# KiCad board AMLDC-2044B p3.kicad_pcb (continued)
## Routing (per net, layer and track width the routed paths; a pad name or vN(x,y) marks a point on that pad's centre or on a via; arc(x,y) is an arc through that point) (continued)
+V TERM: length 42.2
  Top w0.15: 86.27,145.25 87.29,147.25 87.77,148.52 88.35,150.05 88.66,151.58 89.05,153.36 ; J2.13 81.24,136.33 81.92,136.59 82.46,136.75 83.04,137.06 84.26,137.99 85.37,139.1 85.91,139.57 86.53,140.28 87.57,141.29 89,142.48 v1(90.17,143.42) 90.13,143.54 ; 86.32,145.38 86.12,144.86 85.56,143.97 84.89,142.71 84.12,141.76 83.12,140.82 81.9,140.22 80.61,139.44 J2.11 ; 89.05,153.24 89.63,155.83 89.9,157.16 v1(90.09,157.83) 90.09,157.95
/A77: length 20.5
  Top w0.15: 87.95,215.14 87.36,216.05 87,216.58 85.43,218.88 83.93,220.8 83.09,221.82 82.31,222.47 81.93,222.79 81.11,223.18 80.32,223.37 76.05,223.37 J1.77 ; 87.9,215.22 88.41,213.96 88.58,212.96 88.79,211 R36.1
/B49: length 56.8
  Top w0.15: 89.19,42.43 89.21,42.45 v1(89.24,42.45) 89.24,42.48 89.86,43.42 90.09,43.83 90.52,44.37 90.73,44.74 91.09,45.16 92.09,46.99 92.69,47.67 93.21,48.77 94.19,51.16 94.25,51.96 94.29,52.82 94.34,54.02 94.27,54.81 94.07,57.73 93.85,58.7 93.77,59.22 93.78,59.21 93.42,62.38 93.37,63.2 93.37,64.35 93.46,65.51 93.58,67.02 93.67,68.01 93.78,69.1 94.07,71.71 94.05,72.34 94.12,72.71 93.93,74.04 93.75,75.32 93.25,76.63 92.84,77.49 92.21,78.58 91.91,78.96 90.44,81 90.23,81.21 89.68,81.83 88.75,82.41 88.27,82.72 87.19,82.97 85.54,82.85 85.15,82.7 84.22,82.22 84.02,82.04 83.84,81.83 v1(83.49,81.61) 82.6,80.95 82.15,80.32 80.74,79.45 J2.49
/C14p2: length 7.6
  Top w0.15: C14.2 222.79,350.4 222.79,349.88 222.08,348.47 220.62,345.97 R29.1
/C31p2: length 3.2
  Top w0.25: C31.2 143.58,339.41 R94.2
/C58p1: length 1.9
  Top w0.25: C58.1 125.48,310.49 R71.1
/C58p2: length 20.8
  Top w0.15: C58.2 132.18,307.59 C59.2 132.12,305.82 131.92,301.83 131.92,295.23 C60.2 132.09,291.36 132.09,290.67 C61.2
/C59p1: length 1.7
  Top w0.25: C59.1 125.78,307.64 R51.1
/C60p1: length 2
  Top w0.25: R53.1 125.56,292.87 C60.1
/C61p1: length 2
  Top w0.25: R33.1 125.56,289.69 C61.1
/Pad6p6: length 2.6
  Top w0.15: 273.98,255.44 273.98,255.54 v1(274,255.56) 273.98,255.58 273.98,256.73 273.97,256.74 274.23,257 UG4.6
/Pad14p14: length 6.1
  Top w0.15: C12.2 269.12,268.75 267.88,268.55 267.4,268.32 267.39,268.3 267.04,267.97 266.84,267.65 266.61,267.22 UG4.14
/Pad15p15: length 2.7
  Top w0.15: C12.1 264.07,267.9 UG4.15
/Pad77: length 0.1
  Top w0.15: 88.78,208.24 R35.2
/R9p2: length 5
  Top w0.15: R9.2 162.36,311.47 161.19,310.3 160.58,309.44 C43.1
/R10p2: length 3.2
  Top w0.25: 143.38,328.64 143.43,328.69 v2(143.43,328.74) 143.48,328.74 143.53,328.79 R10.2
/R13p2: length 1.9
  Top w0.15: C15.1 201.71,326.64 R13.2
/R34P1: length 23
  Top w0.15: R34.1 86.23,197.88 87.21,196.85 87.76,195.99 R35.1 89.8,193.07 90.3,192.27 90.56,191.83 R15.1 92.59,188.85 92.66,188.71 R16.1 93.93,178 v1(94.06,177.87) 94.19,177.75
/R50P2: length 17
  Top w0.15: CR3.1 182.07,339.53 181.95,334.72 181.89,333.98 181.88,333.85 C28.2 181.05,331.62 179.26,329.56 178.43,328.25 177.18,326.31 v1(177.04,324.72)
/R56P2: length 14.5
  Top w0.15: R92.2 93.1,218.55 91.87,220.16 R17.2 90.38,222.48 90.08,222.97 ; R56.2 85.93,228.72 87,227.53 87.53,226.69 88.78,225.05 R36.2 90.23,222.74
/UG4A: length 5.7
  Top w0.15: 280.39,255.39 280.28,255.28 v1(280.2,255.28) 280.2,255.2 279.52,255.22 277.87,255.33 277.35,255.69 277.32,255.69 277.15,256.03 276.85,256.55 276.77,256.63 UG4.7
B1p2: length 12.5
  Top w0.25: UB1.2 150.32,349.35 148.73,350.59 147.58,350.99 146.48,350.89 145.18,350.39 143.65,349.26 R38.2 143.65,345.81 C45.2
B1p3: length 54.5
  Top w0.2: UE1.3 153.85,298.81 154.36,301.62 154.51,307.59 154.42,308.96 154.79,311.86 155.46,313.84 UD1.4 155.8,316.55 155.79,318.11 155.6,318.48 155.62,318.75 154.79,320.08 154.36,320.87 154.36,324.28 154.4,325.2 154.44,324.71 154.44,331.29 154.37,331.37 154.37,339.48 154.39,339.49 154.47,342.77 154.67,344.34 153.69,346.88 152.86,347.61 UB1.3
B1p9: length 6.4
  Top w0.25: UB1.9 160.48,356.91 160.95,357.37 160.97,357.61 R77.2 164.88,359.09 C16.1
B1p10: length 11.9
  Top w0.25: 157.94,355.93 158.25,357.77 157.15,359.11 156.27,359.4 155.25,359.51 153.91,359.55 R77.1
B1p12: length 38.3
  Top w0.25: UD1.8 163.11,323.98 161.1,325.29 159.71,326.64 159.37,327.93 159.23,331.45 159.32,336.61 159.37,345.54 159.16,350.75 158.53,351.99 157.31,352.69 154.79,353.61 153.41,354.6 UB1.12
B1p13: length 33.9
  Top w0.25: UB1.13 151.62,352.19 151.53,346.34 151.48,345.21 151.16,343.24 151.74,339.94 151.97,338.15 151.85,338.03 151.85,326.39 151.76,326.3 152,324.8 152.92,323.73 UD1.12
B2p4: length 7.4
  Top w0.15: UB2.4 196.15,347.35 195.72,347.09 195.18,345.98 194.52,345.32 193.87,345.05 193.01,344.73 R70.1
B2p5: length 11.3
  Top w0.15: UB2.5 198.78,347.09 199.1,346.66 199.64,345.89 200.69,344.49 201.2,344.12 202.18,343.28 202.24,343.28 202.24,343.08 C13.1 R70.2
B2p10: length 8.7
  Top w0.15: UB2.10 198.69,357.34 199.28,357.91 200.09,358.57 200.7,358.84 201.5,359.09 201.5,359.09 R91.2 204.15,358.89 C30.1
B2p11: length 8.1
  Top w0.15: R91.1 191.99,359.22 192.96,359.22 193.73,359.2 194.61,358.57 196.15,357.4 UB2.11
B2p13: length 50.7
  Top w0.15: UD2.13 191.07,322.98 190.95,323.34 190.97,323.75 190.72,324.47 190.31,325.65 190.24,326.24 189.88,329.23 189.79,329.32 189.79,332.78 189.81,332.8 189.88,339.12 189.36,342.2 189.25,343.69 189.38,344.87 189.5,346.11 189.84,347.54 189.88,350.26 190.81,351.46 192.3,352.4 ; 192.78,351.25 193.44,351.46 193.93,351.62 196.36,352.43 198.92,353.04 200.59,354.27 201.04,355.85 UB2.9 ; 192.78,351.25 192.89,350.85 193.23,349.92 UB2.3 ; 192.78,351.25 192.39,352.25 192.3,352.4 ; 192.3,352.4 192.12,352.68 191.81,353.81 191.53,354.67 UB2.13
B3p6: length 11.1
  Top w0.25: UB3.6 UB3.5 239,345.11 237.73,343.84 234.83,343.84 233.92,344.75 UB3.3
B3p8: length 16.7
  Top w0.25: UB3.8 UB3.9 241.54,352.7 239.83,350.99 235.13,350.99 233.92,352.2 UB3.12 UB3.13
B3p10: length 2.5
  Top w0.25: UB3.10 UB3.11
B4p1: length 23.8
  Top w0.15: UC4.9 273.81,338.01 272.78,339.21 271.83,339.83 270.96,340.9 270.92,342.48 271.15,344.1 UB4.5 271.5,346.3 269.87,348.03 268.24,348.43 267.64,348.52 264.49,348.45 263.95,348.28 263.52,348.07 262.97,347.77 262.67,347.52 262.52,347.32 261.72,346.65 261.72,346 UB4.1 261.34,346.08
B4p6: length 4.4
  Top w0.15: C42.1 273.17,342.63 273.57,343.59 UB4.6
B4p7: length 4.8
  Top w0.15: C42.2 278.1,342.52 276.64,344.55 UB4.7
B4p10: length 33.4
  Top w0.15: UB4.10 275.91,351.35 275.35,349.7 275.32,344.51 275.35,344.48 275.35,340.5 275.37,340.47 275.37,335.06 275.35,325.54 274.98,324.27 274.53,322.68 274.4,322.49 UD4.9
B4p14: length 6.5
  Top w0.15: C41.2 269.67,356.6 267.68,356.24 266.63,355.34 266.43,353.25 UB4.14
B4p15: length 2.9
  Top w0.15: 264.12,356 C41.1 264.08,353.44 UB4.15
B5p1: length 33.9
  Top w0.15: 298.66,312.34 299.5,313.63 299.8,315.39 300.13,316.67 300.2,317.93 300.24,318.48 300.23,319.22 300.11,319.86 300.13,320.33 300.15,321.17 299.45,323.63 299.59,324.06 299.84,325.63 300.22,327.16 300.25,340.66 300.26,340.67 ; 300.25,340.43 300.26,340.99 299.88,342.51 299.56,343.61 299.25,344.05 298.98,344.24 UB5.1
B5p2: length 9.1
  Top w0.15: UB5.2 301.52,344.28 301.56,344.05 301.66,343.47 301.96,342.21 301.8,339.5 301.59,338.26 301.32,336.19
B5p10: length 7.7
  Top w0.15: UB5.10 308.98,351.61 308.91,346.42 309.14,345.17
B6p6: length 7.7
  Top w0.15: UB6.6 356.23,346.15 356.05,346.59 355.97,351.44 356.23,352.79
B6p11: length 9.5
  Top w0.15: 346.07,345.17 346.43,346.62 346.64,347.19 347.37,347.9 349.05,349.01 349.73,349.77 350.23,350.39 350.31,350.6 350.77,351.68 UB6.11
B8p12: length 9.3
  Top w0.15: UB8.12 421.21,351.28 420.44,350.32 420.44,350.29 419.95,349.9 418.99,348.96 418.35,348.23 417.69,347.31 417.13,345.96 416.76,344.81
B15: length 17.4
  Top w0.15: 90.47,141.18 90.44,141.14 v1(90.44,141.11) 90.4,141.11 89.97,140.68 88.65,138.37 86.8,136.55 86.46,136.1 86.04,135.73 85.56,135.34 84.95,134.69 83.5,133.91 81.73,133.36 77.11,133.22 J2.15
B19: length 15.2
  Top w0.15: 91.67,128.24 v1(91.48,128.24) 91.21,128.24 89.67,128.19 88.55,127.99 88,127.82 86.83,127.71 85.48,127.56 84.22,127.4 81.68,127.06 J2.19
B23: length 16.5
  Top w0.15: 84.68,122.67 86.62,123.56 89.15,124.69 90.04,125 90.98,125.53 v1(91.71,125.85) 91.71,125.88 ; J2.23 81.65,120.93 82.75,121.54 83.64,122.06 84.82,122.75
B25: length 17.2
  Top w0.15: J2.25 81.17,117.42 82.33,117.66 83.53,118.13 ; 91.9,123.57 91.83,123.57 v1(91.75,123.49) 91.67,123.57 90.88,123.27 89.91,122.49 89.41,122.17 88.75,121.85 88.23,121.6 87.81,121.25 87.05,120.57 86.26,119.99 84.42,118.7 83.51,118.12
B27: length 17.6
  Top w0.15: 87.65,116.77 87.37,116.56 85.6,115.27 83.38,114.57 81.6,114.2 J2.27 ; 87.56,116.7 89.15,118.44 89.91,119.21 90.11,119.44 90.63,119.96 v1(91.83,120.59) 91.9,120.63
B51: length 57.4
  Top w0.15: 89.18,45.84 88,44.53 87.98,44.53 v1(87.31,43.87) 87.36,43.91 ; 89.18,45.84 88.89,45.35 ; 89.18,45.84 90.14,46.88 90.61,47.4 90.99,47.92 91.92,48.75 92.34,49.33 92.54,49.8 92.93,50.3 93.25,51.25 93.52,52.09 93.52,55.04 93.41,55.61 93.33,56.38 93.25,57.65 92.98,59.06 92.81,60.71 92.71,61.6 92.63,63.53 92.68,64.77 92.83,66.72 92.88,66.76 92.89,68.18 93,68.98 93.1,69.62 93.05,69.67 93.3,72.2 93.16,73.7 93.06,74.33 92.66,75.87 92.07,76.99 91.64,77.89 90.66,79.32 90.44,79.7 90.39,79.7 89.29,81.02 87.95,81.82 86.6,82.17 85.65,82.03 84.97,81.43 84.74,81.26 84.74,81.19 84.41,80.76 83.54,79.53 83.44,79.2 83.16,78.71 82.73,78.04 ; 82.73,78.04 82.33,77.55 81.7,76.85 81.54,76.85 80.26,75.58 J2.51 ; 82.73,78.04 82.73,78.09
B67: length 8.7
  Top w0.15: J2.67 81.44,50.09 81.88,50.12 82.31,49.96 83.75,49.46 84.4,48.82 v1(84.9,48.77) 84.88,48.82
B69: length 6.6
  Top w0.15: J2.69 80.08,47.01 80.56,47.48 81.89,47.48 82.47,48.06 v1(82.58,48.06) 82.58,48.17 82.51,48.1
C0p5: length 28.2
  Top w0.25: UC0.5 122.28,335.04 123.01,336.92 123.93,339.14 123.18,343.14 120.63,346.94 117.29,349.8 R19.1
C0p9: length 17.6
  Top w0.25: 122.64,339.32 122.17,340.09 121.93,340.99 121.23,341.94 120.78,342.29 119.18,343.09 117.18,343.49 114.03,343.99 R49.1 111.18,347.64 CR1.1
C2p2: length 4.3
  Top w0.15: UC2.2 190.98,331.82 191.04,332.53 191.1,334.43 191.08,334.45 v1(191.08,334.57) 190.97,334.57 190.95,334.59
C2p6: length 8.5
  Top w0.15: C15.2 206.91,327.23 206.27,327.32 203.96,327.71 202.22,328.59 201.61,329.11 201.14,329.58 UC2.6
C2p13: length 12.3
  Top w0.15: UC2.13 196.06,337.62 197.42,336.27 198.21,335.95 199.05,335.88 200.12,335.75 202.08,335.79 204.42,335.86 205.1,336.09 205.82,336.85 UC2.9
C2p14: length 6.2
  Top w0.15: C29.2 196.15,341.81 194.55,340.52 194.09,340 193.52,339.05 UC2.14
C3p5: length 30.9
  Top w0.15: UC3.5 239.21,330.41 239.68,329.53 240.1,327.29 240.19,325.32 240.19,322.73 240.21,322.71 240,321.41 238.51,319.47 236.14,318.45 235.21,317.38 235,308.93 234.67,307.63 234.35,306.07 234.18,305.16 233.99,304.5 UE3.12
C3p9: length 13.8
  Top w0.15: UC3.2 231.9,333.14 232.21,333.95 233.39,335.25 235.66,335.88 238.92,336.5 240.29,337.18 240.94,338.11 UC3.9
C3p13: length 5.6
  Top w0.15: 230.1,334.23 230.04,334.17 v1(230.04,334.26) 230.13,334.26 230.47,335.41 230.94,337.18 231.06,337.55 UC3.13
C4p1: length 11.5
  Top w0.15: UC4.1 261.53,329.45 262.39,330.39 262.67,332.37 262.89,333.04 262.91,334.45 262.98,335.2 v1(262.81,340.02) 262.81,340.08 262.85,340.11
C4p3: length 16.8
  Top w0.15: UD4.2 264.47,314.41 264.89,315.51 265.22,317.92 265.35,318.66 265.47,321.09 265.39,321.16 265.39,323.52 265.35,324.15 265.39,326.15 265.98,327.24 UC4.3
C4p5: length 9.2
  Top w0.15: UC4.5 271.35,327.45 270.9,326.36 270.39,324.9 269.77,323.34 269.45,322.1 UD4.11
C4p13: length 7.6
  Top w0.15: UC4.13 264.15,335.74 264.17,332.74 UC4.2
C5p3: length 19.8
  Top w0.15: 308.82,312.34 309,313.58 309.03,314.1 309.03,314.12 309.25,314.99 309.36,315.59 309.71,316.32 309.79,317.33 v1(310,317.65) 310.02,317.68 310.09,321.97 310,322.73 309.62,323.8 309,324.48 308.22,324.93 307.76,325.14 306.94,325.25 306.26,325.49 305.48,325.84 304.32,326.91 304.11,327.73 UC5.3
C5p4: length 39.4
  Top w0.15: 313.9,319.96 313.5,322.12 313.02,323.67 310.61,325.18 309.78,325.64 308.26,326.37 307.86,326.75 307.81,326.75 306.87,327.69 306.87,328.1 UC5.4 306.4,329.82 306.42,329.83 305.96,331.13 305.61,332.03 305.16,332.58 305.13,332.64 304.57,332.9 303.68,332.86 302.7,332.15 302.69,327.06 302.83,323.97 302.66,322.64 302.52,318.29 302.32,317.52 302.14,316.2 302,315.83 301.82,314.76 301.55,313.28 301.2,312.34
C6p11: length 8.7
  Top w0.15: UC6.11 350.95,337.57 350.53,338.34 350.09,338.8 349.57,339.25 348.68,339.5 348.09,339.59 347.25,339.72 345.21,339.79 v1(344.67,339.54) 344.63,339.5
C7p5: length 18.5
  Top w0.15: UC7.5 389.77,327.75 389.46,326.97 389.14,326.59 388.78,325.95 388.24,325.16 388.07,324.95 387.77,324.51 387.55,324.15 387.08,323.36 386.77,322.2 386.61,321.26 386.73,320.67 386.66,320.21 386.36,318.7 385.84,317.59 385.3,316.38 384.4,314.97 383.95,314.06 383.57,313.51 382.72,312.17
C7p11: length 26.8
  Top w0.15: UC7.11 388.48,335.39 389.2,334.36 390.08,333.25 390.27,332.85 390.99,331.79 391.59,330.16 391.68,329.46 391.62,326.84 391.5,326.18 391.32,325.27 391.06,324.67 390.49,323.7 389.29,322.13 389.08,320.47 389.08,319.84 389.08,318.45 388.69,317.46 387.7,315.77 387.23,315.15 386.96,314.67 386.43,313.98 385.88,313.3 385.26,312.17
C7p12: length 7.7
  Top w0.15: 385.46,328.52 385.61,330.34 385.71,334.91 385.71,335.9 UC7.12
C7p13: length 13.6
  Top w0.15: 385.13,323.04 v1(385.13,323.07) 384.94,323.72 384.91,323.91 384.65,325.25 384.42,326.09 384.24,327.5 384.29,329.9 384.33,332.62 384.25,333.28 383.97,334.66 382.92,335.93 UC7.13
C8p5: length 19
  Top w0.15: UC8.5 426.71,327.43 427.46,326.48 428.03,325.84 428.73,325.09 429.39,324.35 429.95,323.41 430.07,322.34 430.34,321.39 430.47,319.33 429.71,317.87 428.5,316.15 427.65,314.79 427.37,314.26 426.77,313.39 426.79,311.97
C8p8: length 19.6
  Top w0.15: UC8.8 430.73,335.3 430.37,334.96 429.72,334.48 428.32,333.3 427.67,333.01 426.62,332.35 426.3,332.02 426,331.66 425.53,330.85 425.22,330.37 425.07,326.44 424.83,325.45 424.68,324.55 424.36,323.08 424.24,322.38 424.25,319.59
C8p10: length 17.8
  Top w0.25: UB8.11 426.11,350.32 427.41,348.74 427.93,345.92 428.13,344.89 427.78,341.87 427.48,340.42 427.28,339.39 426.84,335.89
D0p2: length 12
  Top w0.2: UD0.2 112.38,315.89 112.1,317.31 111.58,320.39 111.28,322.34 111.25,324.18 111.53,324.92 v1(112.39,326.72) 112.48,326.76
D0p3: length 7.5
  Top w0.2: UD0.3 114.66,313.44 114.15,312.63 113.46,312 112.74,311.48 111.37,310.76 110.49,310.85 R71.2
D0p9: length 43
  Top w0.25: UD0.13 113.23,321.95 113.83,320.94 114.98,320.44 121.73,320.29 ; 121.73,320.29 UD0.9 ; 121.73,320.29 121.28,318.89 120.53,316.54 120.39,315.57 UD0.5 121.88,307.09 122.43,305.84 122.58,305.29 122.64,305.23 122.64,303.61 122.03,302.54 121.43,301.74 120.68,301.34 119.93,301.19 119.18,301.14 118.03,301.09 115.88,301.14 113.93,301.49 112.48,302.94 112.48,303.61
D0p10: length 8.4
  Top w0.25: UD0.10 120.28,325.04 121.63,326.44 v2(123.83,326.74) 123.93,326.74 v2(125.73,326.79) 125.78,326.79
D1p3: length 40.1
  Top w0.15: UF1.4 155.23,278.61 154.9,279.17 154.84,279.27 154.44,279.63 153.52,280.55 152.53,281.9 151.78,283.48 151.84,285.28 151.94,285.39 151.61,291.6 151.18,292.49 150.89,295.78 UE1.2 151.38,298.77 151.91,301.54 151.88,305.94 151.84,308.94 151.94,311.6 152.92,313.92 UD1.3
D1p9: length 66.2
  Top w0.15: 155.71,260.67 158.32,264.06 159.34,266.18 159.57,270.15 158.35,272.52 157.96,273.36 157.58,274.09 157.19,275.63 156.92,276.42 156.92,280.52 156.91,280.52 156.92,280.94 156.92,287.77 157,287.85 156.49,290.7 156.49,292.62 157.29,294.74 UE1.5 157.55,298.26 157.06,299.8 156.87,305.41 155.69,307.27 155.46,309.29 155.72,310.83 156.55,312.27 158,313.71 UD1.5 158.6,316.76 159.41,318.43 v1(159.62,319.36) UD1.9
D2p2: length 4.6
  Top w0.15: C44.1 190.07,312.24 191.07,313.23 UD2.2
D2p4: length 56.7
  Top w0.15: 193.52,327.09 192.65,328.35 192.47,328.83 192.42,328.87 192.42,341.1 192.69,341.64 193,342.28 194.02,343.46 194.16,343.58 194.68,344.14 195.92,344.99 197.03,345.17 198.44,344.8 200.75,342.38 v1(200.63,342.22) 200.75,342.2 ; 194.95,298.8 194.93,298.83 v1(194.93,298.89) 194.86,298.89 194.84,298.91 194.84,306.06 194.49,306.95 194.18,307.92 193.17,309.49 193.27,310.75 193.93,311.74 195.21,312.86 195.88,313.15 195.88,313.7 UD2.4 196.06,314.05 196.06,315.09 195.86,316.24 195.71,317.09 195.36,318.21 195.13,319.28 195.03,319.39 195.03,324.63 194.06,326.23 193.46,327.16
D2p5: length 49.2
  Top w0.15: 195.03,292.5 193.79,291.19 192.53,289.22 192.22,281.73 192.19,281 192.19,277.87 192.35,277.43 192.74,274.51 193.16,273.41 194.69,271.2 196.15,269.65 UG2.11 ; 195.03,292.5 197.23,294.79 197.44,297.36 197.44,303.06 197.39,303.69 197.41,309.86 198.18,311.36 ; 195.03,292.5 195,292.37 ; 198.07,311.34 198.52,312.91 UD2.5
D3p6: length 7.9
  Top w0.15: UD3.6 240.89,312.91 239.96,310.56 239.61,310.14 239.14,308.81 C27.1
D3p7: length 7.7
  Top w0.15: C27.2 245.01,309.35 244.68,311.03 244.31,312.54 244.12,313.38 UD3.7
D3p10: length 11.2
  Top w0.15: UD3.10 243.42,321.41 242.38,320.2 240.63,318.92 238.65,317.78 236.88,316.52 UD3.4
D3p14: length 6.1
  Top w0.15: C25.2 236.28,326.28 235.12,325.59 ; UD3.14 233.76,323.88 235.2,325.63
D3p15: length 3.5
  Top w0.15: UD3.15 231.22,323.71 231.27,324.09 C25.1
D5p6: length 5.8
  Top w0.15: UD5.6 311,311.99 310.88,310.78 310.05,310.01 310.05,309.98 309.54,309.72 309.35,309.69 308.66,309.69 308.65,309.69 307.23,309.69
D5p7: length 2.7
  Top w0.15: 313.58,309.69 313.72,311.07 UD5.7
D5p14: length 5.8
  Top w0.15: 307.53,322.69 306.53,323.19 305.4,322.76 304.85,322.37 304.42,321.89 304.04,321.44 303.74,321.13 UD5.14
D7p5: length 11.7
  Top w0.15: UD7.5 390.51,310.74 390.67,310.14 390.96,308.96 391.3,307.71 391.38,307.13 391.69,306.03 391.9,305.39 392.02,304.84 392.27,303.47 392.45,302.97 392.53,302.6 392.61,301.85 392.78,300.74
D7p10: length 20.7
  Top w0.15: 395.32,300.74 395.04,301.99 394.93,302.9 ; UD7.10 390.34,319.49 391.03,318.98 391.81,318.08 392.09,317.69 392.35,317.39 392.75,316.94 393.26,316.18 393.65,315.5 393.86,314.93 394.11,314.01 394.09,309.43 394.15,308.64 394.28,307.92 394.31,306.91 394.41,306.24 394.5,305.76 394.64,304.77 394.8,303.71 394.97,302.62
D7p12: length 13.1
  Top w0.15: UD7.12 384.9,319.43 384.76,318.76 384.21,318.08 383.86,317.85 383.56,317.54 383.13,317.11 382.08,315.56 381.94,314.54 381.98,313.11 381.51,312.8 381.73,311.35 381.95,311.19 381.93,310.55 v1(381.81,308.33) 381.93,308.27
D8p9: length 13.4
  Top w0.15: 419.17,311.97 419.5,313.07 419.76,313.57 420.46,314.19 422.24,315.04 423.13,315.31 424.84,315.75 426.45,316.43 427.77,317.53 428.23,318.19 428.45,318.71 UD8.9
DCHI: length 244.4
  Top w0.15: v1(102.46,316.62) 103.17,315.56 103.57,314.33 104.39,311.08 104.41,309.8 104.45,309.28 104.42,308.99 104.39,307 103.93,305.2 101.37,300.68 99.86,298.26 99.33,296.79 98.88,293.5 98.57,290.9 98.5,290.52 98.37,289.97 97.76,287.86 97.44,286.79 97,285.45 96.45,283.69 95.65,280.16 95.53,267.74 95.57,265.62 96.66,263.03 96.86,262.8 97.07,262.38 99.62,258.18 100.16,255.99 100.36,254.83 100.68,249.18 101.17,247.76 101.06,242.98 100.43,240.11 100.43,236.81 100.37,236.74 100.54,226.56 100.57,224.81 101.05,221.3 102.04,219.29 101.96,219.39 103.22,217.51 104.58,213.8 104.72,213.55 104.72,211.05 ; 104.72,211.13 104.75,208.37 104.74,208 104.59,201.59 104.45,197.63 104.17,194.65 104.01,193.16 103.73,190.76 103.62,190.26 103.27,187.86 102.96,185.82 102.98,185.91 102.79,184.64 102.52,182.84 101.97,179.44 101.76,178.44 101.45,176.55 101.16,175.45 100.95,174.46 100.49,171.02 100.37,169.06 100.43,168.34 100.7,165.82 100.96,164.52 101.18,161.99 101.3,159.77 101.65,156.32 101.79,153.19 101.79,151.12 101.6,150.44 101.53,149.32 100.77,147.22 100.04,145.39 99.48,144.17 98.53,142.26 97.48,140.04 96.91,138.41 96.82,137.29 96.98,135.5 97.62,133.09 97.74,132.35 97.82,131.75 97.99,130.92 98.16,129.81 98.11,126.86 97.94,125.47 97.34,122.39 96.82,119.78 96.95,116.34 96.98,116.32 97.11,114.05 97.18,113.59 97.38,111.09 97.36,110.4 97.44,109.72 97.61,105.75 97.58,103.11 97.68,101.3 97.5,100.31 96.75,99.59 95.9,99.23 95.1,99.06 92.86,98.8 92.12,98.75 90.79,98.64 90.13,98.65 89.53,98.66 89.02,98.61 88.23,98.57 87.7,98.48 86.3,98.31 86.26,98.28 85.68,98.28 84.58,98.15 83.99,98.12 77.18,98.12 J2.37
DCHO: length 238.1
  Top w0.15: 102.16,194.88 102.44,197.54 102.54,198.53 102.66,199.61 102.78,201.25 102.8,201.68 102.8,207.08 102.78,207.65 102.74,208.7 102.75,212.56 102.49,213.82 101.17,217.12 100.77,218.02 100.4,218.61 100,219.47 99.24,220.88 98.9,222.25 98.86,222.44 98.53,225.96 98.64,229.57 98.53,233.73 98.53,234.32 98.56,234.89 98.65,240.19 98.72,240.62 99.07,241.87 99.22,242.24 99.37,243.82 99.37,244.6 99.24,245.87 ; 99.24,245.77 99.08,248.56 98.98,249.25 98.8,251.29 98.57,252.2 98.39,253.1 97.36,255.18 96.86,255.9 96.26,256.97 96.29,260.9 96.07,261.52 95.5,263.2 95.14,264.53 94.78,265.56 94.8,280.39 94.95,281.2 95.22,283.29 95.53,284.41 95.91,286.14 97.02,289.22 97.43,290.87 97.56,291.54 97.56,292.36 97.78,292.94 97.85,294.25 98.04,296.4 99.33,299.95 99.73,300.73 100.59,302.58 100.89,303.28 101.65,304.85 101.71,305.33 101.89,305.89 101.79,307.17 101.71,307.57 101.65,308.76 101.25,310.64 100.76,313.05 100.62,313.5 100.4,314.79 100.28,316.64 100.66,318.33 100.83,318.75 101.18,319.7 v1(101.16,319.73) 101.18,319.75 101.18,319.79 ; J2.33 81.82,104.48 85.97,104.62 89.74,104.8 92.01,104.89 93.35,105.12 93.65,105.22 94.64,105.5 95.38,106.19 95.69,107.73 95.51,110.71 95.32,111.54 94.89,116.47 94.8,118.46 95.27,121.99 95.69,123.97 96,125.87 96.21,127.07 96.22,130.22 95.06,135.37 94.78,137.46 94.96,138.54 95.55,140.01 95.94,141.44 96.63,142.62 97.15,143.76 97.8,145.24 98.44,146.64 98.7,147.43 98.99,148.12 99.35,148.83 99.9,151.14 99.86,152.1 99.87,152.6 99.79,154.12 99.79,155.14 99.78,155.31 99.72,156.66 99.63,157.49 99.59,158.33 99.02,164.06 98.62,166.83 98.55,167.38 98.42,168.7 98.39,169.36 98.47,170.13 98.48,170.94 99.55,178.01 99.96,180.34 100.37,182.54 100.8,185.39 101.23,188.2 101.5,189.9 101.64,190.6 102.05,194.2 102.18,195.06
DISK0 ACT: length 35.1
  Top w0.15: 92.43,277.18 v1(92.31,277.06) 91.94,275.71 91.15,273.58 90.04,270.36 89.35,268.4 88.43,265.71 87.11,262.02 86.43,260.29 85.52,258 83.99,254.77 83.72,254.43 83.29,253.74 80.92,250.32 79.68,249.06 J1.61
DISK1: length 28.5
  Top w0.15: 87.68,202.25 86.32,203.61 86.15,203.89 85.8,204.35 84.51,205.91 84.18,206.28 83.89,206.67 83.53,207.35 82.93,208.4 82.42,209.21 81.97,209.72 81.82,209.83 80.66,210.52 76.02,210.69 J1.85 ; 87.6,202.33 88.87,200.74 89.24,200.4 89.85,199.71 90.23,199.23 91.07,198.27 91.69,197.55 92.08,197.17 93.64,195.61 95.02,194.5 95.51,194.06 v1(96.28,193.67) 96.39,193.78
DISK2: length 26.7
  Top w0.15: R16.2 92.22,201.46 90.43,202.49 89.07,203.86 88.27,204.73 87.54,205.96 86.7,207.24 ; 83.84,211.99 83.06,213.23 82.71,214.27 81.91,215.35 81.58,215.75 81.11,216.5 80.23,217.06 J1.81 ; 83.89,211.89 84.37,211.05 85.14,209.55 85.92,208.31 86.95,206.89
DISK NEW REQ: length 34.7
  Top w0.15: J1.59 75.78,252.21 80.35,252.99 81.82,253.71 83.35,255.82 84.24,258.2 85.11,260.87 85.86,264.19 86.16,265.36 87.42,270.17 88.34,272.56 88.97,274.57 89.3,275.34 89.69,276.92 90.86,278.56 v1(92.13,279.67) 92.13,279.74
DISK PRES REQ: length 34.5
  Top w0.15: J1.57 79.94,255.84 80.52,255.87 81.28,256.11 82.74,257.52 83.21,258.88 83.87,260.74 84.35,262.78 85.9,268.85 86.35,270.21 86.8,271.76 87.14,272.85 87.56,273.71 88.03,275.1 88.35,276.11 89.54,279.11 90.15,279.82 90.43,280.15 91.14,281 91.4,281.25 92.26,282.23 v1(92.26,282.26) 92.29,282.26 92.3,282.27
DISK WR DATA: length 62.8
  Top w0.15: 92.56,264 92.56,263.94 v1(92.5,263.88) 92.56,263.82 92.56,263.7 92.16,263.67 91.64,263.48 91.25,263 90.92,262.76 88.42,260.03 88.09,259.51 87.52,258.57 86.57,256.9 85.1,254.07 83.69,251.92 82.83,250.18 81.68,248.4 79.18,245.89 J1.63 ; 95.8,243.15 95.04,242.26 94.82,242.09 94.28,241.73 91.67,239.75 90.86,239.19 89.75,238.36 87.67,236.71 85.9,235.4 85.42,235.04 83.39,233.35 82.62,233.01 82.11,232.9 81.39,232.84 76,232.94 J1.71 ; 95.7,243.04 96.05,243.4 96.25,243.83 96.55,245.31 96.5,246.43 96.47,246.87 96.53,247.2 96.44,247.9 96.41,248.34 96.23,249.68 95.82,250.2 95.46,250.8 95.12,251.25 94.69,251.72 94.57,251.94 93.58,253.41 93.23,253.89 v1(92.95,254.27) 92.88,254.2
DSK SEL: length 28.8
  Top w0.15: J1.67 75.89,239.67 80.18,239.67 80.18,240.17 81.19,240.84 ; 92.76,259.14 v1(92.79,259.02) 92.47,258.5 91.89,257.95 91.7,257.89 91.51,257.74 91.12,257.26 89.64,255.9 89.07,255.43 88.23,254.43 86.64,252.74 85.78,251.47 85.37,250.74 84.95,250.22 83.66,247.23 83.65,246.5 83.53,245.65 83.46,245.05 ; 81.15,240.79 82.36,242.01 82.87,242.71 83.05,243.04 83.3,244.23 83.47,245.15
DSK ~{RST}: length 28.1
  Top w0.15: 91,210.24 90.69,212.29 90.38,213.66 89.94,215.2 88.7,217.59 88.3,218.33 87.6,219.4 86.84,220.73 86.66,220.98 85.78,222.15 84.62,223.5 83.61,224.72 80.79,226.38 80.28,226.45 J1.75 ; 90.97,210.44 91.05,209.61 91.11,209.18 R17.1
E0p3: length 6.7
  Top w0.25: R53.2 111.51,292.9 113.44,293.74 114.43,294.3 115.02,294.89 UE0.3
E0p6: length 11.6
  Top w0.25: UF0.9 122.47,285.55 122.08,288.58 122,290.34 121.99,291.77 122.29,295.64 122.64,295.99
E0p11: length 9.6
  Top w0.25: 117.56,303.61 117.56,305.3 117.22,305.49 116.34,306.2 114.78,307.17 112.82,307.59 112.78,307.64 R51.2
E1p8: length 37.5
  Top w0.15: UG1.9 160.79,269.74 160.74,269.79 160.45,271.55 159.84,273.16 159.55,275.16 159.46,275.25 159.46,277.47 159.53,277.54 159.53,278.97 159.62,279.06 159.62,282.25 159.42,282.44 159.42,285.81 159.53,286.4 159.53,293.64 159.46,293.71 159.49,293.73 159.49,296.19 159.46,297.58 159.53,298.53 160.06,299.45 160.76,300.37 162.92,302.84 162.92,303.35 UE1.8
E1p9: length 6.9
  Top w0.15: UE1.9 160.59,303.85 160.59,304.89 159.57,305.65 159.28,305.71 158.39,306.57 157.73,307.06 v1(157.24,309) 157.2,308.97
E2p12: length 21.2
  Top w0.15: UE2.12 193.4,304.56 193.78,304.93 193.32,306.36 192.76,308.17 192.01,309.85 191.99,311.52 192.37,314.01 192.35,316 192.39,316.57 v1(192.39,324.38) 192.44,324.47
E2p13: length 4.7
  Top w0.15: UE2.13 190.86,304.76 191.06,304.96 191.02,305 v1(190.98,308.37) 191.02,308.41
E3p1: length 13.4
  Top w0.15: 230.38,308.9 v1(230.27,308.93) 230.3,301.39 229.99,299.76 229.92,299.04 229.48,297.53 228.91,297.14 UE3.1
E3p2: length 37.5
  Top w0.15: UG3.3 233.64,262.37 233.43,263.04 233,264.88 232.79,266.8 232.76,267.18 232.64,272.92 232.64,273.78 ; UE3.2 231.93,295.56 232.16,294.65 232.81,293.65 233.19,292.79 233.85,291.31 234.96,288.51 235.35,285.56 234.78,282.53 233.63,280.94 232.8,278.62 232.62,273.47
E4p3: length 9.5
  Top w0.15: UE4.3 266.76,294.65 267.47,295.19 268.15,296.07 268.66,296.38 269.34,296.69 271.27,297.32 273.84,297.4 v1(274.2,297.39) 274.22,297.41
E4p4: length 12.7
  Top w0.15: UF4.13 264.27,283.43 264.35,283.77 264.8,285.13 265.49,286.5 266.2,287.51 267.65,289.92 268.48,291.86 UE4.4
E4p6: length 37.1
  Top w0.15: UE4.6 274.1,293.2 274.1,289.25 273.99,288.89 273.95,288.8 273.95,288.05 v1(273.93,288.03) 273.95,288.01 274.23,287.3 275,285.91 275.43,284.45 275.51,282.74 275.58,279.97 275.43,279.71 275.45,276.67 275.58,274.38 275.51,269.9 275.45,269.38 275.45,266.51 275.4,265.18 275.32,264.75 275.09,263.95 275.04,263.52 274.79,262.89 273.51,260.88 272.37,259.49 UG4.5
E4p11: length 5.6
  Top w0.15: UE4.11 269.3,302.01 268.86,302.45 268.86,306.22 v1(268.95,306.22) 268.95,306.3 269.03,306.39
E5p4: length 20.2
  Top w0.15: 311.53,274.17 311.03,275.8 310.59,276.96 310.23,278.68 310.15,280.85 309.98,284.14 309.59,285.2 309.15,286.4 308.75,287.3 308.22,288.53 307.83,289.58 307.43,290.82 306.98,291.68 306.7,292.63 UE5.4
E5p9: length 42.5
  Top w0.15: UE5.9 311.84,299.64 312.3,298.61 312.51,298.02 312.59,296.39 312.68,295.53 312.67,295.28 312.7,291.73 312.76,291.2 312.86,289.86 312.97,288.24 313.06,287.13 313.22,286.04 313.66,283.75 313.69,283.1 314.07,281.79 313.4,280.36 312.76,279.26 312.62,278.29 312.6,277.51 312.56,276.73 312.63,276.34 312.6,272.4 311.76,271.52 310.53,270.94 307.06,270.88 304.77,271.09 303.68,271.47 302.77,272.05 302.28,272.47 302.11,272.72 301.81,273.02 301.37,274.17
E5p10: length 35.1
  Top w0.15: 305.05,286.43 305.03,285.52 304.84,284.84 304.58,284 304.08,283 304.31,282.19 303.91,281.79 ; 305.05,286.43 306.15,286.33 306.81,286.02 307.3,285.61 307.59,285.03 307.72,278.9 307.87,278.04 308.03,276.96 308.25,276.39 308.47,275.57 308.99,274.17 ; 305.05,286.43 305.23,288.2 305.17,288.73 305.33,291.09 305.13,292.51 305.21,294.8 305.38,296.26 305.66,296.72 306.06,297.4 306.35,297.68 308.06,299.64 308.28,299.9 308.41,300.66 UE5.10
E5p11: length 57.6
  Top w0.15: 301.32,247.49 301.17,248.59 301.03,248.97 300.72,249.65 300.47,250.97 300.46,251.62 300.46,252.48 300.41,252.78 300.3,256.03 300.16,268.57 299.75,269.28 299.49,269.88 298.97,270.58 298.52,271.13 298.2,271.82 298.13,271.93 297.67,272.92 297.64,273.71 297.54,274.24 297.58,274.8 297.82,275.82 297.99,276.3 298.27,276.7 298.64,277.45 299.25,278.6 299.66,279.26 299.86,279.76 300.26,281.02 300.23,283.78 300.21,284.51 300.2,289.79 300.31,291.4 300.01,294.07 300.5,294.94 300.56,295.25 301.4,296.38 301.83,296.9 302.27,297.34 303.31,298.16 303.79,298.46 304.2,298.74 304.92,299.27 305.96,300.23 UE5.11
E6p2: length 19.6
  Top w0.15: UE6.2 345.82,292.21 346.47,291.31 346.71,289.66 347.12,288.17 347.19,279.4 347.18,279.1 347.11,278.01 346.82,277.01 346.55,275.96 346.45,275.53 346.19,275.09 345.85,274.1 345.82,274.07
E6p9: length 15.5
  Top w0.15: UE6.9 355.98,302.25 356.41,303.19 356.65,305.72 356.82,306.38 357.07,309.1 357.24,310.86 357.17,316 v1(357.08,316.09) 357.05,316.11
E6p11: length 8.1
  Top w0.15: 353.44,293.17 353.34,294.12 352.99,294.72 352.7,295.52 352.25,296.67 351.8,298.14 351.62,298.83 351.3,299.86 UE6.11
E6p13: length 24.2
  Top w0.15: 345.82,281.69 345.87,283.12 345.78,284.5 345.43,286.16 345.38,286.95 345.24,287.82 345.08,288.57 344.89,290.52 344.75,291.29 344.75,295.16 344.83,296.14 344.88,296.34 344.92,296.99 345.09,298.17 345.4,299.17 UE6.13 345.82,301.95 346.11,302.23 346.11,305.31 346,305.42 v1(345.96,305.42) 345.96,305.45 345.92,305.49
E8p4: length 12.2
  Top w0.15: 421.41,281.29 421.77,283.08 422.03,283.68 422.29,285.36 422.61,286.61 422.95,288.07 423.02,288.37 423.31,289.51 423.47,289.99 423.52,291.15 424.4,292.24 UE8.4
E8p5: length 12.1
  Top w0.15: 429.03,281.29 428.66,282.72 428.27,284.57 427.82,286.56 427.19,289.26 427.05,289.95 427.02,290.39 426.85,290.75 426.69,291.5 426.56,292.02 426.51,292.48 UE8.5
Entrex Backplane S01B53 to S13B53: length 7.6
  Top w0.15: 83.27,70.27 83.19,70.27 v1(83.16,70.3) 83.13,70.27 82.96,70.27 80.83,72.41 J2.53
F0p2: length 17
  Top w0.25: UG0.3 UG0.12 114.97,268.2 114.94,269.13 114.44,270.83 113.5,273.84 112.92,275.36 UF0.2
F0p4: length 9
  Top w0.25: UG0.11 117.8,273.72 117.8,275.06 117.83,275.42 117.84,276 UF0.4
F1p2: length 17.3
  Top w0.15: UF1.2 150.98,275.78 151.6,274.26 152.2,272.7 152.97,270.96 153.6,269.01 UG1.12 153.77,266.78 154.9,265.75 156.27,265.66 157.03,265.86 157.65,266.37 158.03,266.79 158.26,267.99 UG1.10
F1p6: length 17.8
  Top w0.15: UF1.6 160.54,276.04 161.14,274.65 161.36,273.1 161.49,272.46 161.65,271.58 161.75,270.85 161.97,269.03 161.98,268.61 161.98,267.28 162.01,267.25 161.46,265.56 160.99,264.74 159.98,263.21 159.42,262.52 158.56,261.27 UG1.5
F1p10: length 7.9
  Top w0.15: UF1.10 158.26,284.82 158.26,285.85 157.94,291.73 158.15,292.03 v1(158.07,292.03) 158.07,292.12 158.11,292.08
F1p11: length 6.1
  Top w0.15: 154.75,290.59 v1(154.71,290.55) 154.79,289.04 155.18,287.49 155.46,285.83 UF1.11
F2p1: length 5.2
  Top w0.15: UF2.1 188.64,275.82 188.75,275.59 188.75,274.33 188.83,274.12 188.93,272.57 188.64,272.28 v1(188.51,272.28) 188.51,272.14
F2p2: length 6.5
  Top w0.15: UF2.2 191.12,276.23 191.32,276.03 191.32,275.91 191.61,274.8 192.08,273.27 192.16,272.38 192.35,271.04 v1(192.37,271.02) 192.35,270.99 192.35,270.86
F2p3: length 18.7
  Top w0.15: UF2.3 193.35,278.9 193.16,279.76 193.16,284.2 UF2.12 193.45,286.57 193.5,287.57 193.66,288.33 193.66,288.33 193.77,289.09 194.5,290.11 195.5,290.43 198.02,290.53 v1(199.47,290.22) 199.49,290.24
F2p5: length 7.6
  Top w0.15: UF2.5 198.74,276.13 199.05,275.82 199.73,274.9 200.41,273.93 202.54,270.99 202.54,270.94 v1(202.57,270.91) 202.54,270.88 202.54,270.78
F2p9: length 4.8
  Top w0.15: 201.23,289.4 201.28,289.35 201.28,289.28 v1(201.17,289.17) 201.28,289.06 UF2.9
F2p11: length 3.7
  Top w0.15: 195.08,281.31 v1(195.03,281.34) 195.76,283.68 195.76,284.26 UF2.11
F3p10: length 7.6
  Top w0.25: UF3.7 UF3.10
F4p1: length 11.5
  Top w0.15: v1(262.7,263.03) 262.89,263.64 262.98,266.31 262.58,267.9 262.17,269.42 261.98,270.18 261.81,271.95 261.79,272.57 UF4.1
F4p3: length 23
  Top w0.15: UF4.3 266.81,273.51 267.68,272.49 268.02,272.12 268.61,271.63 269.21,271.14 270.65,270.31 271.62,269.72 271.97,269.36 272.11,268.84 272.1,267.41 271.69,267.01 UG4.12 271.15,264.1 270.34,263.26 267.85,262.15 267.36,261.81 265.82,260.88 265.35,260.38 264.78,259.82 264.07,258.62 UG4.2
F4p11: length 26.4
  Top w0.15: UG4.4 269.59,259.29 270.1,259.99 270.28,260.23 270.83,261.18 271.34,261.97 272.11,262.81 272.87,264.13 272.94,266.46 272.97,266.86 273.05,270.08 273.03,271.44 272.99,275.4 272.95,275.99 272.42,277.43 271.43,279.12 270.21,280.88 269.35,281.37 UF4.11
F4p12: length 8.1
  Top w0.15: UF4.12 266.24,280.45 265.74,279.41 265.28,277.77 264.61,276.28 UF4.2
F5p9: length 12
  Top w0.15: UF5.9 311.31,282.78 311.13,283.79 310.96,284.99 310.6,285.84 310.34,287.38 310.29,287.78 309.43,290.9 309.07,292.36 308.79,293.42
F5p11: length 8.1
  Top w0.15: UF5.11 305.93,280.49 305.65,279.77 305.54,279.55 305.1,278.54 304.75,277.74 304.3,276.69 303.85,275.45 303.83,275.06 303.91,274.17
F5p13: length 42
  Top w0.15: 311.48,247.49 311.29,248.98 311.18,249.77 310.89,250.44 310.66,251.25 310.4,252.53 310.28,253.54 310.16,257.66 310.17,263.77 310.01,266.81 310.01,267.17 309.39,267.92 308.28,268.37 306.78,268.94 305.72,269.19 304.61,269.43 303.67,269.51 302.89,269.7 301.45,270.4 300.57,271.12 300.31,271.45 299.53,272.34 299.12,273.17 298.83,274.17 299.07,275.32 299.29,275.92 299.66,277.05 300.04,277.98 300.34,278.94 300.75,279.72 300.94,280.36 301.19,280.65 UF5.13
F6p11: length 8.1
  Top w0.15: UF6.11 350.9,281.18 351.1,280.98 351.27,280.71 351.53,280.1 351.78,279.18 352.05,278.31 352.41,277.14 352.74,276.1 353.44,274.07
F7p2: length 41.3
  Top w0.15: UF7.2 382.43,272.48 382.25,271.73 382.13,271.24 381.75,270.3 381.64,269.79 381.45,268.32 381.45,247.83 381.14,247.53 381.31,246.35 381.48,245.44 381.58,243.28 382.32,241.24 382.46,240.42 v1(382.48,239.83) 382.32,239.54 382.45,238.54 382.33,237.48 381.85,235.97 381.55,234.81 381.4,234.44 381.12,233.75 380.94,233.49 380.99,233.44 v1(380.99,233.39) 381.04,233.39 381.07,233.37
F7p3: length 34.1
  Top w0.15: UF7.3 384.91,272.72 384.45,271.83 384.17,270.6 383.89,269.59 383.89,267.01 383.91,266.7 383.94,266.19 383.91,264.21 383.78,263.79 383.5,261.31 383.28,260.19 383.08,259.22 382.52,258.08 382.52,257.24 383.01,255.63 383.54,254.77 384.05,254 384.54,253.54 384.91,253.05 385.34,252.85 386.46,252.02 387.66,251.3 389.98,250.47 390.3,250.33 392.71,249.63 393.45,249.24 394.21,248.88 394.42,248.3 395.02,247.16
G0p1: length 28.6
  Top w0.25: UG0.1 110.49,260.88 111.11,262.73 111.35,263.41 111.44,280.02 111.48,281.16 111.45,281.8 111.46,285.8 111.49,286.25 111.44,286.64 111.59,287.9 111.98,288.22 v1(111.98,288.31) 112.07,288.31 111.98,288.22
G0p2: length 2.4
  Top w0.25: JP6.1 112.58,258.27 UG0.2
G0p5: length 2.4
  Top w0.25: JP3.1 120.2,258.1 UG0.5
G0p6: length 2.4
  Top w0.25: JP2.1 122.74,258.11 UG0.6
G1p2: length 46.6
  Top w0.15: 149.24,306.6 149.3,306.55 v1(149.35,306.43) 149.27,283.38 149.47,282.85 149.3,282.68 149.24,275.73 149.47,274.27 149.9,272.17 150.41,270.18 UG1.13 150.82,266.91 150.92,261.24 150.63,260.95 UG1.2
G2p1: length 51.7
  Top w0.15: UK2.13 191.81,216.13 191.97,216.29 192.35,216.94 192.52,217.61 192.88,218.33 192.78,220.87 191.95,221.8 189.7,222.1 188.58,223.14 UJ2.1 188.58,224.32 190.12,225.83 191.44,227.81 192.34,229.9 192.64,234.37 192.85,235.26 192.74,237.26 192.78,237.79 192.55,239.89 192.45,240.49 192.45,252.86 191.9,254.44 191.9,254.62 190.04,257.93 189.35,259.25 188.53,260.07 UG2.1
G2p2: length 57.8
  Top w0.15: 197.93,257.4 199.49,256.77 200.09,256.46 201.57,254.9 202.4,252.2 202.64,249.84 202.61,247.32 202.64,246.38 202.64,239.86 202.58,239.81 202.74,229.75 203.6,228.42 203.58,227.41 202.61,224.81 202.61,221.38 202.94,220.17 203.39,217.81 203.61,217.24 203.72,215.93 203.81,215.84 ; 197.93,257.4 197.23,257.53 195.78,258.13 194.84,258.96 193.61,259.69 UG2.3 UG2.2 ; 197.93,257.4 198.48,258.26 198.69,258.99 UG2.5 ; 203.81,215.84 UK2.8 ; 203.81,215.84 203.8,216.09
G2p6: length 10.8
  Top w0.15: UH2.8 203.86,251.47 203.7,252.17 203.23,253.94 202.53,255.86 201.99,257.55 201.36,259.32 UG2.6
G2p10: length 20.9
  Top w0.15: UG2.10 198.69,269.43 198.26,269.86 198.1,270.46 197.76,271.59 197.42,273.27 197.29,281.13 197.31,286.54 v1(197.15,288.62) 197.23,288.51
G2p12: length 25.2
  Top w0.15: UG2.12 193.84,267.13 193.69,266.37 193.48,265.1 192.85,264.16 191.32,263.66 189.88,264.13 189.43,264.95 189.64,266.73 189.88,267.47 189.98,270.83 190.11,271.17 190.32,272.33 189.98,275.77 189.69,279.95 189.06,281.08 v1(189.06,281.5) 189.06,281.47
G2p13: length 2.4
  Top w0.15: 191.03,266.02 v1(190.98,266.02) 190.98,265.97 191.03,266.02 ; 191.03,266.02 191.07,266.06 UG2.13
G3p2: length 10.4
  Top w0.15: UG3.2 231.35,259.32 231.6,259.07 231.55,259.03 UH3.13
G3p8: length 9.5
  Top w0.15: UF3.6 241.78,275.99 241.98,275.09 243.47,271.19 243.62,270.33 243.96,269.88 244.05,269.78 UG3.8
G3p9: length 18.4
  Top w0.15: UH3.8 243.19,254.25 243.01,256.26 242.83,260.18 242.72,265.83 242.7,266.19 242.4,266.8 UG3.9
G3p11: length 17.9
  Top w0.15: UF3.11 241.23,283.89 240.86,282.86 240.5,282.2 240.28,280.06 240.43,277.88 240.28,276.15 239.71,274.16 237.61,270.85 UG3.11
G3p12: length 9.1
  Top w0.15: UG3.12 234.08,271.98 234.13,272.94 234.13,273.59 UF3.3
G5p3: length 5.5
  Top w0.15: UG5.3 303.91,258.31 304.13,258.77 304.04,260.39 303.89,261.75 303.87,262.21 v1(303.75,262.87) 303.75,262.84
G6p1: length 18.3
  Top w0.15: UG6.1 343.19,256.66 343.74,256.11 343.99,254.32 344.24,253.23 344.5,252.58 344.73,250.6 344.72,249.63 344.72,248.47 344.62,247.32 344.68,246.46 344.83,245.77 344.7,245.06 344.53,244.28 344.42,243.66 344.27,242.93 344.1,242.22 343.82,241.31 343.18,239.79
G6p2: length 57.8
  Top w0.15: 348.52,235.56 349.52,237.32 349.59,254.06 349.74,259.19 349.35,260.72 348.78,261.4 348.02,261.59 347.76,261.6 347.23,261.58 346.81,261.34 346.44,260.68 345.98,259.71 345.82,258.8 345.73,258.71 UG6.2 ; 348.52,235.56 348.76,234.63 349,234.22 349.67,233.35 350.23,232.73 350.23,232.5 350.5,231.89 350.8,230.79 350.8,230.25 351.59,229.77 351.94,229.47 352.42,228.96 352.84,228.64 353.28,228.39 353.7,227.83 353.94,227.49 354.19,227.09 354.47,226.58 354.47,218.46 354.14,218.13 v1(354.07,218.13) 354.07,218.06 354.11,218.1 ; 348.52,235.56 348.15,235.55 347.95,236.02 347.32,236.79 346.52,238.11 345.72,239.79
G6p3: length 10.5
  Top w0.15: UG6.3 348.27,256.71 348.76,255.81 348.87,249.3 348.26,248.69 348.26,247.41
G6p6: length 10.2
  Top w0.15: 355.88,247.41 355.61,248.44 355.74,255.59 355.74,256.33 355.89,256.48 UG6.6
G6p12: length 16
  Top w0.15: 353.27,250.61 353.24,250.64 v1(353.24,250.66) 353.21,250.66 353.24,251.25 352.95,251.79 352.7,252.58 352.26,254.07 352.23,255.18 352.2,256.22 351.93,259.93 351.92,260.23 351.34,261.28 351.04,261.73 350.6,262.47 349.65,263.62 349.3,264.09 UG6.12
G6p13: length 15.3
  Top w0.15: UG6.13 345.62,264 345.53,263.57 345.07,262.23 344.74,261.24 344.74,258.4 344.58,258.23 344.74,255.73 344.72,254.97 344.95,254.01 345.13,253.46 345.5,252.45 345.83,251.79 v1(346.79,250.73) 346.69,250.77
G7p6: length 6.5
  Top w0.15: 392.92,253.71 393.21,252.58 393.18,252.06 393.32,251.33 393.3,251.32 ; 392.99,253.38 392.68,254.84 UG7.6 ; 393.3,251.32 393.25,251.26 v1(393.3,251.26) 393.3,251.32
G7p10: length 14.7
  Top w0.15: UG7.10 389.93,265.72 389.71,266.3 389.11,266.88 388.7,267.4 388.54,267.64 387.51,269.41 387.03,270.19 386.77,270.73 386.47,271.73 386.45,272.23 386.45,278.32 v1(386.42,278.35) 386.45,278.39 386.45,278.47
G8p9: length 13.5
  Top w0.15: UG8.9 428.4,265.92 427.59,266.85 427.59,266.89 426.88,267.41 426,267.78 425.31,268.01 423.92,268.16 422.48,268.16 421.86,268.04 420.68,267.7 419.88,267.2 419.27,266.44 419.15,266.2 418.77,264.74
G8p10: length 11.1
  Top w0.15: 427.44,261.84 427.17,262.51 UG8.10 ; 427.68,253.9 427.68,254.07 v1(427.66,254.1) 427.61,261.06 427.42,261.93
H0p2: length 19.4
  Top w0.25: UH0.2 112.37,240.88 111.38,237.8 111.5,235 111.35,234.86 111.35,230.39 111.51,229.36 111.39,227.9 111.22,226.95 110.35,224.37 109.94,224.16 UJ0.1
H0p8: length 3
  Top w0.25: UH0.8 125.23,252.89 JP1.2
H0p9: length 3.3
  Top w0.25: JP2.2 122.97,252.8 122.97,251.79 ; 122.99,251.96 122.97,251.79 ; 122.97,251.79 UH0.9
H0p10: length 3
  Top w0.25: JP3.2 120.15,252.81 UH0.10
H0p11: length 3
  Top w0.25: JP4.2 117.83,252.89 117.83,251.94 UH0.11
H0p12: length 3
  Top w0.25: JP5.2 115.27,252.93 115.27,251.85 UH0.12
H0p13: length 3.1
  Top w0.25: UH0.13 112.53,252.74 JP6.2
H1p3: length 7.9
  Top w0.15: UH1.3 152.63,239.87 152.49,238.75 152.15,237.19 151.89,236.33 v1(151.81,235.17) 151.89,235.14 152,235.02
H1p5: length 13
  Top w0.15: UJ1.8 163.33,232.5 161.36,234.73 160.73,236.07 160.35,236.74 159.57,238.08 158.6,240.54 UH1.5
H1p10: length 19.3
  Top w0.15: UH1.10 158.27,251.51 157.66,252.44 157.03,253.05 156.18,253.62 154.57,253.87 153.32,253.76 152.41,253.55 152.01,253.06 151.85,251.72 151.98,249.9 151.83,248.2 151.65,247.38 151.24,245.08 150.94,244.07 UH1.2
H1p11: length 7.6
  Top w0.15: UH1.11 UH1.4
H2p1: length 4.7
  Top w0.15: 188.58,237.87 188.58,237.88 v1(188.63,237.92) 188.58,237.97 UH2.1
H2p12: length 14.6
  Top w0.15: UH2.5 198.38,243.93 197.71,244.78 197.27,245.51 196.51,246.53 ; 196.51,246.53 195.9,246.53 194.18,244.64 UH2.3 ; 196.51,246.53 196.17,247.01 195.19,248.36 193.66,250.14 UH2.12
H3p4: length 11.2
  Top w0.15: 237.78,253.6 v1(237.78,253.56) 237.82,253.56 237.66,248.2 237.59,247.66 237.41,245.81 237.05,244.46 UH3.4
H3p5: length 6.5
  Top w0.15: 238.87,236.14 v1(238.87,236.33) 238.87,241.04 239.17,241.35 UH3.5
H3p9: length 7.6
  Top w0.15: UH3.9 241.57,248.41 241.55,245.5 UH3.6
H3p12: length 19.5
  Top w0.15: UJ3.13 231.79,233.09 232.02,233.71 232.39,235.3 232.7,236.57 232.87,240.57 232.84,240.93 232.87,242.11 232.87,246.53 233.07,248.32 233.25,248.93 UH3.12
H4p6: length 6.3
  Top w0.15: C11.1 271.44,236.12 271.83,236.57 272.08,237.03 272.76,237.88 273.06,238.38 274.23,239.74 UH4.6
H4p7: length 7
  Top w0.15: R67.1 276.86,235.09 C11.2 276.97,235.21 276.97,237.16 276.89,237.35 276.81,237.93 276.82,238.61 UH4.7
H4p12: length 19.5
  Top w0.15: UG4.10 276.77,264.72 276.2,264.24 275.99,263.79 275.65,263.12 275.53,262.73 275.43,262.17 275.4,260.84 275.34,256.91 275.42,255.49 275.42,255.13 275.22,253.51 274.81,252.62 274.32,251.8 273.66,250.78 272.79,249.78 271.69,248.59 UH4.12
H4p14: length 5.5
  Top w0.15: UH4.14 266.61,249.08 266.79,249.68 267.34,250.28 268.46,250.66 C56.2
H4p15: length 3.1
  Top w0.15: C56.1 264.07,249.93 UH4.15
H5p5: length 4.9
  Top w0.15: 308.74,235.04 308.74,235.08 v1(308.8,235.14) 308.74,235.2 308.74,238.59 308.74,238.7 308.77,238.99 UH5.5
H5p6: length 13.9
  Top w0.15: 298.79,242.44 v1(298.82,242.52) 305.26,242.63 306.79,242.68 307.29,242.68 308.25,242.59 309.11,242.34 309.81,241.94 310.47,241.51 310.93,240.81 UH5.6
H5p12: length 5.3
  Top w0.15: 303.86,252.67 303.86,252.62 v1(303.83,252.59) 303.86,252.57 303.86,250.47 ; UH5.12 303.72,248.48 303.69,248.88 303.86,250.51
H6p13: length 5.5
  Top w0.15: UH6.13 346.28,246.34 346.56,245.17 346.73,243.15 346.91,242.97 346.91,242.42 v1(346.87,242.38) 346.91,242.34 346.91,242.2 346.93,242.18
H7p3: length 10.4
  Top w0.15: 384.86,239.54 385.08,239.32 385.34,238.39 385.59,237.78 385.64,237.78 385.78,237.36 386.76,235.98 386.8,235.84 386.89,235.71 387.22,235.4 387.72,234.87 387.9,234.51 388.23,234.14 389.21,232.71 389.74,231.84 389.94,230.71
H7p12: length 9.2
  Top w0.15: 384.86,247.16 386.02,245.43 ; 389.94,239.54 389.53,240.43 389.36,240.76 389.19,241.28 388.69,242.09 387.76,243.2 387.44,243.67 387.03,244.21 386.04,245.43
J0p3: length 2.5
  Top w0.25: 115.23,221.18 v3(115.15,221.18) 115.15,221.26 115.02,221.39 UJ0.3
J0p10: length 14.3
  Top w0.25: 120.28,235.82 120.31,235.85 v1(120.31,235.79) 120.25,235.79 120.34,234.56 UJ0.10 119.5,229.72 118.2,229.22 117.35,229.19 115.86,229.16 114.79,229.22 113.84,229.65 112.99,230.23 112.48,231.17
J1p1: length 25.8
  Top w0.15: UJ1.1 148.44,222.43 148.76,221.37 148.99,220.46 149.09,219.4 149.35,214.75 149.29,213.86 149.39,212.54 149.46,212.35 149.3,211.8 149.35,210.36 148.97,209.06 UK1.1 148.17,205.27 148.27,204.6 148.44,203.68 148.89,201.4 149.17,200.26 149.5,198.34 149.55,198.29 v1(149.59,198.29) 149.59,198.24
J1p11: length 8.4
  Top w0.15: UJ1.11 155.79,232.68 155.54,233.55 155.52,234.22 155.21,235.08 155,236.75 154.73,237.95 154.45,238.69 154.45,239.1 v1(154.49,239.14) 154.45,239.17 154.45,239.2
J1p13: length 70.9
  Top w0.15: 152.07,222.17 152.08,223.93 152,224.01 151.73,227.92 151.11,230.01 UJ1.13 ; UM1.13 150.73,166.68 150.73,166.68 150.13,168.28 149.7,171.59 149.78,173.14 149.66,173.27 149.66,174.83 149.81,174.98 149.72,175.06 149.72,177.99 150.05,179.21 UL1.13 150.73,183.06 154.98,187.8 155.23,192.57 154.98,193.6 155.15,193.87 154.2,196.07 153.36,196.96 v1(153.3,197.02) 153.36,197.07 153.36,197.21 151.13,200.38 150.56,201.49 149.53,203.77 149.29,207.48 150.35,209.78 151.27,211.46 151.92,213.23 152.09,216 152.11,216.02 151.97,220.71 152.08,222.42
J2p4: length 9.5
  Top w0.15: UK2.12 193.71,215.99 194.45,218 195.02,219.98 195.83,221.56 UJ2.4
J2p10: length 4.8
  Top w0.15: v1(201.89,228.12) 201.82,228.19 201.82,228.22 ; v1(201.89,228.12) 201.82,228.05 201.82,228.01 ; v1(201.89,228.12) 201,228.73 200.01,229.38 199.39,229.76 UJ2.10
J2p11: length 6.9
  Top w0.15: 196.18,237.72 v1(196.2,237.81) 196.32,235.5 196.42,231.34 UJ2.11
J2p12: length 10.3
  Top w0.15: UJ2.12 195.15,229.38 196.25,227.71 196.9,226.65 197.1,226.2 197.75,225.31 198.39,224.46 UJ2.5 198.37,224.53
J2p13: length 6.7
  Top w0.15: UJ2.13 v1(191.05,237.68) 191.12,237.71 191.16,237.75
J3p3: length 65.5
  Top w0.15: UF3.14 233.63,283.74 232.79,283.21 232.12,282.87 231.39,282.43 230.74,281.82 230.34,280.86 230.22,280.15 230.15,271.72 230.88,270.32 231.35,269.47 UG3.13 230.97,266.23 230.84,265.83 230.64,265.4 230.35,264.17 229.81,262.46 UG3.1 229.55,259.19 229.73,258.81 230.05,258.21 230.24,257 230.32,255.97 230.32,242.24 ; 230.32,242.36 230.25,229.99 230.39,229.67 230.42,228.87 230.61,228.29 231.24,227.31 232.56,225.76 233.48,224.77 UJ3.3
J3p8: length 17.9
  Top w0.15: 243.63,213.56 v1(243.71,213.64) 243.51,214.39 243.15,217.14 243,218.35 242.91,222.16 242.94,222.19 242.91,222.22 242.92,227.55 243.43,229.19 243.71,229.93 UJ3.8
J3p11: length 46.9
  Top w0.15: UJ3.11 237.25,229.84 237.75,228.59 237.9,226.8 237.89,225.81 237.96,221.58 237.93,221.64 237.84,215.34 237.73,212.74 237.7,208.05 237.68,205.27 237.67,203.8 237.67,200.25 235.85,194.6 235.51,191.56 235.34,188.83 236.75,186.72 237.09,186.49 237.54,185.99 237.64,185.89 v1(237.74,185.89) 237.74,185.79 237.8,185.73
J7p6: length 5.1
  Top w0.15: UJ7.6 392.05,222.66 391.94,221.64 391.52,220.8 391.46,220.43 391.21,219.61 390.48,218.54
K0p1: length 6
  Top w0.25: UK0.1 115.39,203.22 C57.1
K0p5: length 6.1
  Top w0.25: UK0.5 124.98,201.12 C64.1
K0p10: length 4.3
  Top w0.25: UK0.10 125.55,212.19 125.55,213.31 125.48,214.49 C72.1
K1p5: length 5
  Top w0.15: UK1.5 158.25,202.41 158.42,202.24 v1(158.42,202.21) 158.45,202.21 158.49,202.17
K1p9: length 14.2
  Top w0.15: UK1.2 151.82,210.06 153.14,210.78 154.58,211.03 157.23,211.17 158.27,211.71 159.64,212.32 160.5,213.36 UK1.9
K1p10: length 24.9
  Top w0.15: 157.08,237.7 157.08,237.81 ; 157.08,237.7 v1(157.12,239.17) 157.08,239.15 ; 157.08,237.7 157.08,236.04 157.08,235.31 157.17,235.3 156.95,231.16 157.06,229.6 157,228.55 157.04,224.04 157,222.38 156.88,221.49 157.02,220.08 157.11,218.39 157.55,216.62 UK1.10
K2p2: length 13.8
  Top w0.15: 189.89,220.33 189.89,220.29 v1(189.93,220.26) 189.89,220.22 189.89,212.74 190.1,210.28 190.47,209.46 190.78,208.33 191.16,207.68 191.17,207.67 UK2.2
K2p9: length 17.3
  Top w0.15: 202.51,197.63 v1(202.45,197.73) 202.59,211.66 202.5,212.53 202.28,213.41 UK2.9 201.43,214.39
K2p11: length 33.9
  Top w0.15: UK2.11 197.03,212.19 197.17,211.51 197.48,209.49 197.48,200.4 197.51,200.37 v1(197.52,200.34) 196.83,199 195.97,196.2 195.53,192.41 195.56,188.24 194.78,185.74 194.46,184.95 193.56,183.3 UL2.12
K5p1: length 19.8
  Top w0.15: 306.22,173.92 305.35,174.87 305.05,175.35 304.4,176.04 304.15,176.42 303.71,177.04 303.38,177.48 302.72,178.81 302.61,180.45 302.61,180.76 302.54,184.1 302.45,184.92 302.32,185.68 302.06,186.23 301.87,186.62 301.67,187.06 300.82,188.27 300.18,189 299.94,189.35 299.44,189.94 299.05,190.43 298.83,190.94 UK5.1
K5p3: length 19.9
  Top w0.15: UK5.3 303.87,190.53 304.33,189.97 304.88,189.44 305.97,188.3 306.36,187.95 307.2,187.18 307.59,186.8 308.28,186.12 308.99,185.09 309.3,184.54 309.55,183.86 309.79,183.03 309.99,182.03 310.08,179.88 310.08,179.1 310.13,178.04 310.15,177.21 310.55,175.78 310.77,174.95 311.3,173.92
K5p5: length 18.8
  Top w0.15: UK5.5 308.93,190.21 309.17,189.53 309.4,189.19 309.73,188.73 310.2,188.08 310.92,187.01 311.13,186.62 311.49,186.16 311.91,185.41 312.06,184.86 312.36,184.02 312.44,180.86 312.38,179.22 312.36,179.24 v1(312.36,179.19) 312.41,179.19 312.45,179.14 312.27,178.59 312.24,178.03 312.48,177.38 312.85,175.88 313.34,174.88 313.84,173.92
K5p13: length 27.2
  Top w0.15: UK5.13 301.48,198.05 301.92,196.95 302.26,195.38 302.32,194.7 302.27,191.71 302.52,189.22 303.35,187.8 303.9,186.74 304.82,184.63 305.14,179.07 305.35,177.96 305.53,177.3 306.14,176.73 307.2,175.84 307.84,175.31 308.25,174.8 308.76,173.92
K6p4: length 13.4
  Top w0.15: 347.03,193.79 v1(347.03,193.91) 347.03,194.49 347.2,195.24 347.51,196.47 348.16,198.03 348.74,199.95 349.09,201.21 349.56,202.79 349.76,203.11 350.02,204.29 350.43,205.41 UK6.4
K6p6: length 5.5
  Top w0.15: 354.03,201.64 354.49,202.68 354.84,203.45 355.15,204.13 355.47,205.5 355.39,206.2 UK6.6
